# Altium PCB MB1635.PcbDoc (part 2 of 10)
Units mm, origin at the board's own origin, x right, y up, seen from the top; angles counter-clockwise.
Board outline 127 x 97 mm, 6 copper layers (Top Layer, Signal Layer 1, Signal Layer 2, Signal Layer 3, Signal Layer 4, Bottom Layer), stack 1.557 mm thick; 593 components, 478 nets, 2435 pads, 1743 vias.
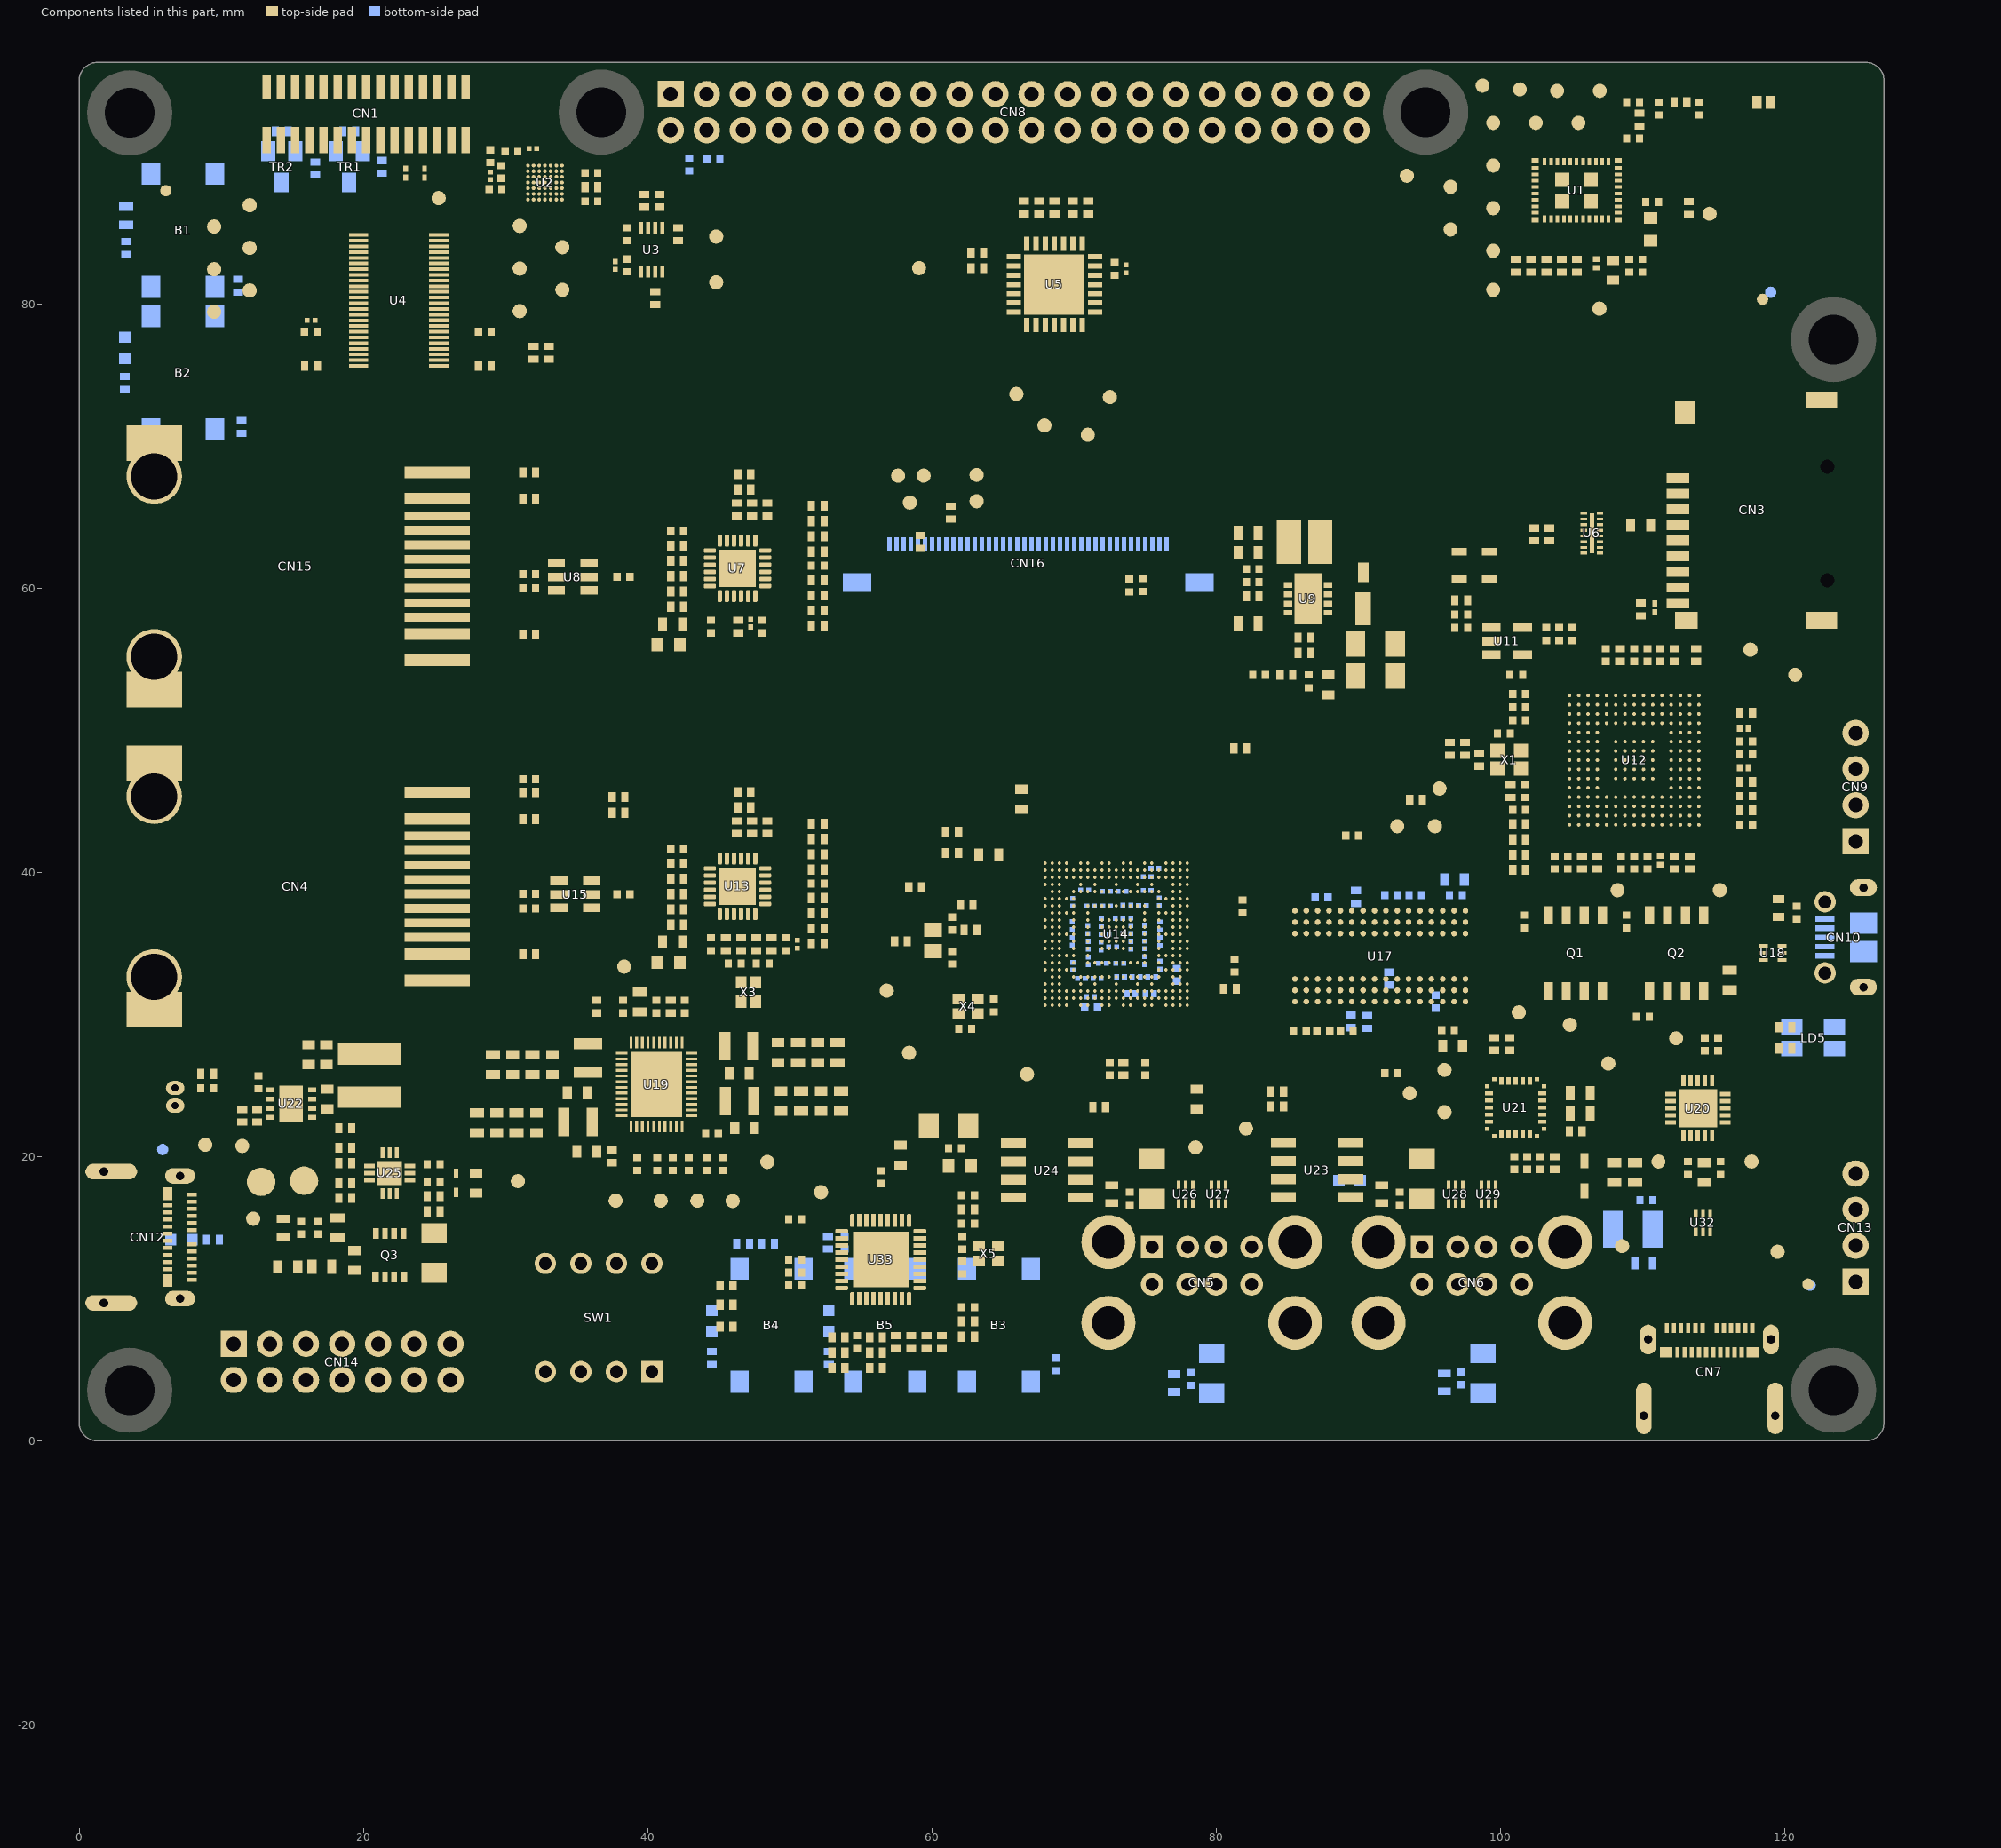
[diagram p6: the components of this part, seen from the top]

## Components (designator, comment, footprint, x,y, rotation, side; value= is the part's Value field where it differs from the comment) (continued)
U12 "ST-LINKV3E" ICC_UFBGA201_176+25_10X10_P065 109.425,47.9 r0 top value=ST-LINKV3S
U13 "LAN8742A-CZ-TR" ICC_VQFN24-EPAD_4X4_P050 46.325,39.025 r90 top
U14 "STM32MP135FAF7" ICC_TFBGA320_11X11_STM32MP135FA7_P050_H1P20 72.975,35.65 r0 top locked
U15 "USBLC6-4SC6" ESD_SOT23-6L 34.9,38.45 r270 top
U16 "ESD-TRANSIL" ESD_QFN2_1P6X1_P125 119.575,37.5 r90 top value=ESDA7P60-1U1M
U17 "NT5CC256M16ER-EK" ICC_VFBGA96_9x13_P080 91.55,34.1 r270 top locked
U18 "ECMF02-2AMX6" ESD_QFN-6L_1P7X1P5_P050 119.175,34.325 r270 top
U19 "STPMU1" ICC_WFQFN44-EPAD_5X6_P040 40.625,25.075 r0 top value=STPMIC1DPQR
U20 "TCPP03-M20" ICC_QFN20-EPAD_4X4_P050 113.9,23.4 r270 top
U21 "STM32G071G8U6N" ICC_UFQFPN28_4X4_P050 101.075,23.45 r0 top
U22 "ST1S31PUR" ICC_VFDFPN8-EPAD_3X3_P065 14.925,23.725 r270 top
U23 "STMPS2252MTR" ICC_SO8_5X4_P127 87.1,19.05 r270 top
U24 "STMPS2252MTR" ICC_SO8_5X4_P127 68.1,19.025 r270 top
U25 "TCPP01-M12" ICC_QFN12L-EPAD_3X3_P050 21.845,18.839 r270 top
U26 "ECMF02-2AMX6" ESD_QFN-6L_1P7X1P5_P050 77.85,17.35 r180 top
U27 "ECMF02-2AMX6" ESD_QFN-6L_1P7X1P5_P050 80.175,17.35 r180 top
U28 "ECMF02-2AMX6" ESD_QFN-6L_1P7X1P5_P050 96.85,17.35 r180 top
U29 "ECMF02-2AMX6" ESD_QFN-6L_1P7X1P5_P050 99.175,17.35 r180 top
U30 "ESD-TRANSIL" ESD_QFN1610_2N_1K_2A 72.65,17.35 r90 top value=ESDA7P120-1U1M
U31 "ESD-TRANSIL" ESD_QFN1610_2N_1K_2A 91.65,17.35 r90 top value=ESDA7P120-1U1M
U32 "ECMF02-2AMX6" ESD_QFN-6L_1P7X1P5_P050 114.25,15.35 r180 top
U33 "USB2514B-AEZC" ICC_QFN36-EPAD_6X6_P050 56.4,12.75 r180 top
U34 "ESD-TRANSIL" ESD_QFN1610_2N_1K_2A 14.345,14.989 r270 top value=ESDA25P35-1U1M
U35 "RK043FN78H-CT661C" LCD_DRAWING_ROCKTEK_RK043FN78H-CT661C 66.775,64.836 r180 bottom
U36 "ESD-TRANSIL" ESD_QFN1610_2N_1K_2A 110.1,12.523 r180 bottom value=ESDA25P35-1U1M
U37 "ESD-TRANSIL" ESD_ST0201 54.692,13.937 r90 bottom value=ESDALC6V1-1U2
U38 "ESD-TRANSIL" ESD_QFN1610_2N_1K_2A 96.075,4.1 r270 bottom value=ESDA7P120-1U1M
U39 "ESD-TRANSIL" ESD_QFN1610_2N_1K_2A 77.05,4.05 r270 bottom value=ESDA7P120-1U1M
U40 "ESD-TRANSIL" ESD_ST0201 24.3,89.213 r270 top value=ESDALC6V1-1U2
U41 "ESD-TRANSIL" ESD_ST0201 22.975,89.2 r270 top value=ESDALC6V1-1U2
X1 "OSCILLATOR_4_PINS" OSC_NDK_NZ2520SB_4P 100.625,47.925 r0 top value=25MHz
X2 "XTAL_2_PINS" CRY_NX2012SA_2P 60.075,35.2 r270 top value=32.768KHz
X3 "XTAL_4_PINS" CRY_NX2016SA_4P 47.1,31.575 r90 top value=25MHz
X4 "XTAL_4_PINS" CRY_NX2016SA_4P 62.55,30.575 r0 top value=24MHz
X5 "XTAL_4_PINS" CRY_NX2016SA_4P 63.975,13.175 r180 top value=24MHz

## Footprints (in the part's own frame and the unit in brackets; to place one, negate y for a bottom-side part, rotate by r counter-clockwise, add the part's x,y. Pads: shape width x height; smd on the part's side, far side on the other; paste and mask are expansions set on the pad)
C0201_H0P5 [mm] "MCD-01534"
  rect 0.4x0.5 smd mask+0.05: 1(-0.3,0) 2(0.3,0)
  Top Layer keep-out region: -0.099,-0.25 0.101,-0.25 0.101,0.25 -0.099,0.25
  body extent -0.35,-0.2 0.35,0.2, height 0.55
C0201_MURATA_GRM033_H0P3 [mm] "GRM033R60J105ME11"
  rect 0.35x0.35 smd mask+0.05: 1(-0.275,0) 2(0.275,0)
  Top Layer keep-out region: -0.1,-0.175 0.1,-0.175 0.1,0.175 -0.1,0.175
  body extent -0.32,-0.17 0.32,0.17, height 0.33
C0402#1 [mm]
  rect 0.51x0.56 smd mask+0.05: 1(-0.45,0) 2(0.45,0)
  Top Layer keep-out region: -0.175,-0.275 0.175,-0.275 0.175,0.275 -0.175,0.275
  body extent -0.5,-0.3 0.5,0.3, height 0.4
C0402#2 [mm]
  rect 0.51x0.56 smd mask+0.05: 1(-0.45,0) 2(0.45,0)
  body extent -0.5,-0.3 0.5,0.3, height 0.4
C0603 [mm]
  rect 0.64x0.89 smd mask+0.05: 1(-0.7,0) 2(0.7,0)
  Top Layer keep-out region: -0.375,-0.45 0.375,-0.45 0.375,0.45 -0.375,0.45
  body extent -0.9,-0.5 0.9,0.5, height 1.4
C0603_H0P8 [mm] "MCD-01540"
  rect 0.64x0.89 smd mask+0.05: 1(-0.7,0) 2(0.7,0)
  body extent -0.9,-0.5 0.9,0.5, height 1
C1206_H1P6 [mm]
  rect 1.4x1.78 smd mask+0.05: 1(-1.4,0) 2(1.4,0)
  silkscreen extent -2.12,-0.97 2.15,0.97, body extent -1.7,-0.9 1.7,0.9, height 1.8
C1206_H1P25 [mm]
  rect 1.4x1.78 smd mask+0.05: 1(-1.4,0) 2(1.4,0)
  silkscreen extent -2.12,-0.97 2.15,0.97, body extent -1.7,-0.9 1.7,0.9, height 1.45
C1210 [mm]
  rect 1.4x2.6 smd mask+0.05: 1(-1.4,0) 2(1.4,0)
  silkscreen extent -2.1,-1.43 2.1,1.43, body extent -1.75,-1.35 1.75,1.35, height 2.5
CON_DUAL-USB-TYPE-A_CONEXCON_5600-3081 [mm]
  round 1.6 hole 0.92: B1(-3.5,13.01) B2(-1,13.01) B3(1,13.01) B4(3.5,13.01) T2(-1,15.63) T3(1,15.63) T4(3.5,15.63)
  round 3.8 hole 2.33: CH1(6.57,10.3) CH2(-6.57,10.3) CH3(-6.57,15.98) CH4(6.57,15.98)
  rect 1.6x1.6 hole 0.92: T1(-3.5,15.63)
  silkscreen extent -7.3,-0.4 7.3,17.85, body extent -7.83,-0.6 7.87,17.85, height 16.2
CON_MICROSD_ATOM_MR01A-01211 [mm]
  rect 0.7x1.6 smd paste+0 mask+0.05: 1(2.25,14.5) 2(1.15,14.5) 3(0.05,14.5) 4(-1.05,14.5) 5(-2.15,14.5) 6(-3.25,14.5) 7(-4.35,14.5) 8(-5.45,14.5) 9(-6.55,14.5)
  rect 1.2x1.6 smd paste+0 mask+0.05: 10(-7.75,13.9)
  rect 1.2x2.2 smd paste+0 mask+0.05: 11(-7.75,4.4) 12(7.75,4.4)
  rect 1.6x1.4 smd paste+0 mask+0.05: 13(6.85,14)
  round 0.5 hole 1 unplated paste-10 mask+0.05: NPTH1(-4.95,4) NPTH2(3.05,4)
  Top Layer pour cut-out: -8.35,8.1 -8.35,12.9 -6.9,12.9 -6.9,8.1
  Top Layer pour cut-out: -6.1,10.1 2.9,10.1 2.9,8.1 -6.1,8.1
  Top Layer keep-out region: -8.35,8.1 -8.35,12.9 -6.9,12.9 -6.9,8.1
  Top Layer keep-out region: -6.1,10.1 2.9,10.1 2.9,8.1 -6.1,8.1
  silkscreen extent -7.35,-5.3 7.35,14.5, body extent -8.05,0 8.05,15, height 1.9
CON_MOLEX_53047-0210 [mm]
  oval 1x1.3 hole 0.5 mask+0.05: 1(-0.625,0) 2(0.625,0)
  silkscreen extent -2.12,-1.15 2.13,2.05, body extent -2.12,-1.15 2.13,2.05, height 4.2
CON_MOLEX_5051104091 [mm] "MCD-02589"
  rect 0.3x1 smd mask+0.05: 1(-9.75,1.1) 2(-9.25,1.1) 3(-8.75,1.1) 4(-8.25,1.1) 5(-7.75,1.1) 6(-7.25,1.1) 7(-6.75,1.1) 8(-6.25,1.1) 9(-5.75,1.1) 10(-5.25,1.1) 11(-4.75,1.1) 12(-4.25,1.1) 13(-3.75,1.1) 14(-3.25,1.1) 15(-2.75,1.1) 16(-2.25,1.1) 17(-1.75,1.1) 18(-1.25,1.1) 19(-0.75,1.1) 20(-0.25,1.1) 21(0.25,1.1) 22(0.75,1.1) 23(1.25,1.1) 24(1.75,1.1) 25(2.25,1.1) 26(2.75,1.1) 27(3.25,1.1) 28(3.75,1.1) 29(4.25,1.1) 30(4.75,1.1) 31(5.25,1.1) 32(5.75,1.1) 33(6.25,1.1) 34(6.75,1.1) 35(7.25,1.1) 36(7.75,1.1) 37(8.25,1.1) 38(8.75,1.1) 39(9.25,1.1) 40(9.75,1.1)
  rect 2x1.3 smd mask+0.05: MT1(-12.05,-1.6) MT2(12.05,-1.6)
  silkscreen extent -12.35,-4 12.35,1.25, body extent -12.75,-4 12.75,1.3, height 1.88
CON_RJ45_PHC_RMT-119A-12F6-GY-02 [mm] "MCD-02475"
  rect 0.81x4.6 smd mask+0.05: 1(6.61,25.2) 2(4.77,25.2) 11(-4.77,25.2) 12(-6.61,25.2)
  rect 0.61x4.6 smd mask+0.05: 3(3.57,25.2) 4(2.55,25.2) 5(1.53,25.2) 6(0.51,25.2) 7(-0.51,25.2) 8(-1.53,25.2) 9(-2.55,25.2) 10(-3.57,25.2)
  rect 2.5x3.9 smd mask+0.05: 13(-8.67,5.28) 14(8.67,5.28)
  round 3.9 hole 3.25 mask+0.05: 13(-6.35,5.28) 14(6.35,5.28)
  silkscreen extent -8.9,-0.01 8.9,25.65, body extent -9.5,0 9.5,25.65, height 13.61
CON_SAMTEC_TSW-104-07-G-S [mm]
  rect 1.85x1.85 / inner round 1.85 / far side rect 1.85x1.85 hole 1 mask+0.05: 1(-3.81,0)
  round 1.85 hole 1 mask+0.05: 2(-1.27,0) 3(1.27,0) 4(3.81,0)
  silkscreen extent -5.12,-1.3 5.12,1.3, body extent -5.21,-1.37 5.18,1.37, height 8.38
CON_SAMTEC_TSW-107-07-X-D [mm] "MCD-02123"
  rect 1.85x1.85 / inner round 1.85 / far side rect 1.85x1.85 hole 1 mask+0.05: 1(-7.62,-1.27)
  round 1.85 hole 1 mask+0.05: 2(-7.62,1.27) 3(-5.08,-1.27) 4(-5.08,1.27) 5(-2.54,-1.27) 6(-2.54,1.27) 7(0,-1.27) 8(0,1.27) 9(2.54,-1.27) 10(2.54,1.27) 11(5.08,-1.27) 12(5.08,1.27) 13(7.62,-1.27) 14(7.62,1.27)
  silkscreen extent -8.89,-2.54 8.89,2.54, body extent -8.89,-2.55 8.89,2.54, height 8.38
CON_SAMTEC_TSW-120-07-G-D [mm]
  rect 1.85x1.85 / inner round 1.85 / far side rect 1.85x1.85 hole 1 mask+0.05: 1(-24.13,-1.27)
  round 1.85 hole 1 mask+0.05: 2(-24.13,1.27) 3(-21.59,-1.27) 4(-21.59,1.27) 5(-19.05,-1.27) 6(-19.05,1.27) 7(-16.51,-1.27) 8(-16.51,1.27) 9(-13.97,-1.27) 10(-13.97,1.27) 11(-11.43,-1.27) 12(-11.43,1.27) 13(-8.89,-1.27) 14(-8.89,1.27) 15(-6.35,-1.27) 16(-6.35,1.27) 17(-3.81,-1.27) 18(-3.81,1.27) 19(-1.27,-1.27) 20(-1.27,1.27) 21(1.27,-1.27) 22(1.27,1.27) 23(3.81,-1.27) 24(3.81,1.27) 25(6.35,-1.27) 26(6.35,1.27) 27(8.89,-1.27) 28(8.89,1.27) 29(11.43,-1.27) 30(11.43,1.27) 31(13.97,-1.27) 32(13.97,1.27) 33(16.51,-1.27) 34(16.51,1.27) 35(19.05,-1.27) 36(19.05,1.27) 37(21.59,-1.27) 38(21.59,1.27) 39(24.13,-1.27) 40(24.13,1.27)
  silkscreen extent -25.4,-2.54 25.4,2.54, body extent -25.4,-2.55 25.4,2.54, height 8.38
CON_TE-CONNECTIVITY_1-1734248-5 [mm] "MCD-02225"
  rect 0.6x1.85 smd mask+0.05: 1(7,1.875) 2(6,1.875) 3(5,1.875) 4(4,1.875) 5(3,1.875) 6(2,1.875) 7(1,1.875) 8(0,1.875) 9(-1,1.875) 10(-2,1.875) 11(-3,1.875) 12(-4,1.875) 13(-5,1.875) 14(-6,1.875) 15(-7,1.875)
  rect 0.6x1.65 smd mask+0.05: 16(7,-1.875) 17(6,-1.875) 18(5,-1.875) 19(4,-1.875) 20(3,-1.875) 21(2,-1.875) 22(1,-1.875) 23(0,-1.875) 24(-1,-1.875) 25(-2,-1.875) 26(-3,-1.875) 27(-4,-1.875) 28(-5,-1.875) 29(-6,-1.875) 30(-7,-1.875)
  silkscreen extent -11.2,-2.85 11.2,1.85, body extent -11.2,-2.7 11.2,2.4, height 7.7
CON_USB-TYPEC_MOLEX_2012670005 [mm] "MCD-02421"
  rect 0.3x0.7 smd mask+0.05: A1(-3,3.085) A2(-2.5,3.085) A3(-2,3.085) A4(-1.5,3.085) A5(-1,3.085) A6(-0.5,3.085) A7(0.5,3.085) A8(1,3.085) A9(1.5,3.085) A10(2,3.085) A11(2.5,3.085) A12(3,3.085) B2(2.25,1.385) B3(1.75,1.385) B4(1.25,1.385) B5(0.75,1.385) B6(0.25,1.385) B7(-0.25,1.385) B8(-0.75,1.385) B9(-1.25,1.385) B10(-1.75,1.385) B11(-2.25,1.385)
  rect 0.9x0.7 smd mask+0.05: B1(3.05,1.385) B12(-3.05,1.385)
  oval 1.1x2.1 hole 0.6 slot 1.6 at 90 deg mask+0.05: SH1(-4.32,2.275) SH2(4.32,2.275)
  oval 1.1x2.6 hole 0.6 slot 2.1 at 90 deg mask+0.05: SH3(-4.62,-3.085) SH4(4.62,-3.085)
  oval 1.1x3.6 all layers, no hole mask+0.05: SH3(-4.62,-2.55) SH4(4.62,-2.55)
  silkscreen extent -4.7,-5.02 4.7,1.1, body extent -4.7,-5.03 4.69,3.27, height 3.67
CON_USBMICROB_MOLEX_105017-0001_H2P90 [mm]
  rect 0.4x1.35 smd mask+0.05: 1(-1.3,4.15) 2(-0.65,4.15) 3(0,4.15) 4(0.65,4.15) 5(1.3,4.15)
  round 1.5 hole 0.9 mask+0.05: 6(-2.5,4.15) 7(2.5,4.15)
  oval 1.2x1.9 hole 0.6 slot 1.3 at 90 deg mask+0.05: 8(3.5,1.45) 9(-3.5,1.45)
  rect 1.5x1.9 smd mask+0.05: 10(-1,1.45) 11(1,1.45)
  Top Layer region: 2.3,2.4 3.5,2.4 3.5,0.5 2.3,0.5 2.3,2.4
  Top Layer region: -3.5,2.4 -2.3,2.4 -2.3,0.5 -3.5,0.5 -3.5,2.4
  silkscreen extent -4,-0.7 4,4.6, body extent -4.1,-1.15 4.1,4.66, height 2.9
CRY_NX2012SA_2P [mm]
  rect 1x1.25 smd mask+0.05: 1(-0.75,0) 2(0.75,0)
  silkscreen extent -1.05,-0.75 1.05,0.75, body extent -1.05,-0.63 1.05,0.63, height 0.6
CRY_NX2016SA_4P [mm]
  rect 0.85x0.75 smd mask+0.05: 1(-0.675,-0.525) 2(0.675,-0.525) 3(0.675,0.525) 4(-0.675,0.525)
  silkscreen extent -1.22,-1.02 1.05,0.85, body extent -1.05,-0.85 1.05,0.85, height 0.7
DIO_DO216-AA [mm]
  rect 1.38x0.75 smd mask+0.05: 1(1.515,0)
  rect 2.32x1.1 smd mask+0.05: 2(-1.045,0)
  Top Layer region: -1.705,-1.015 0.115,-1.015 0.115,1.015 -1.705,1.015
  silkscreen extent -2.25,-1.22 0.72,1.22, body extent -2.02,-1.02 1.83,1.02, height 1.15
DIO_SOD323 [mm]
  rect 1.06x0.54 smd mask+0.05: 1(-1.07,0) 2(1.07,0)
  silkscreen extent -0.9,-0.72 0.9,0.72, body extent -1.3,-0.78 1.3,0.78, height 1.17
DIO_SOD523_1A_2K [mm] "MCD-01677"
  rect 0.65x0.3 smd mask+0.05: 1(-0.675,0) 2(0.675,0)
  silkscreen extent -0.65,-0.45 1.05,0.55, body extent -0.85,-0.45 0.85,0.45, height 0.71
ESD_QFN2_1P6X1_P125 [mm]
  rect 0.55x0.8 smd mask+0.05: 1(-0.625,0) 2(0.625,0)
  silkscreen extent -1,-0.55 0.85,0.55, body extent -0.85,-0.55 0.85,0.55, height 0.61
ESD_QFN1610_2N_1K_2A [mm] "DFN, 2-Leads, Body 1.60x1.00mm"
  rect 0.55x0.9 smd mask+0.05: 1(-0.625,0) 2(0.625,0)
  silkscreen extent -1.02,-0.58 0.85,0.58, body extent -0.85,-0.55 0.85,0.55, height 0.6
ESD_QFN-6L_1P7X1P5_P050 [mm]
  rect 0.25x0.6 smd mask+0.05: 1(-0.5,-0.65) 2(0,-0.65) 3(0.5,-0.65) 4(0.5,0.65) 5(0,0.65) 6(-0.5,0.65)
  body extent -0.9,-0.8 0.9,0.8, height 0.56
ESD_SOT23-6L [mm]
  rect 0.6x1.2 smd mask+0.05: 1(-0.95,-1.15) 2(0,-1.15) 3(0.95,-1.15) 4(0.95,1.15) 5(0,1.15) 6(-0.95,1.15)
  silkscreen extent -1.53,-0.87 1.53,0.87, body extent -1.52,-1.5 1.52,1.5, height 1.45
ESD_ST0201 [mm]
  rect 0.425x0.33 smd mask+0.05: 1(-0.312,0) 2(0.312,0)
  silkscreen extent -0.55,-0.3 0.33,0.3, body extent -0.34,-0.18 0.34,0.18, height 0.34
ESD_UQFN16L-EPAD_3P5X1P2_P040 [mm]
  rect 0.2x0.45 smd mask+0.05: 1(-1.4,-0.575) 2(-1,-0.575) 3(-0.6,-0.575) 4(-0.2,-0.575) 5(0.2,-0.575) 6(0.6,-0.575) 7(1,-0.575) 8(1.4,-0.575) 9(1.4,0.575) 10(1,0.575) 11(0.6,0.575) 12(0.2,0.575) 13(-0.2,0.575) 14(-0.6,0.575) 15(-1,0.575) 16(-1.4,0.575)
  rect 2.8x0.3 smd mask+0.05: EP(0,0)
  body extent -1.78,-0.63 1.78,0.63, height 0.56
FIL_0603_H0P65 [mm]
  rect 0.8x0.95 smd mask+0.05: 1(-0.8,0) 2(0.8,0)
  silkscreen extent -1.33,-0.6 1.33,0.6, body extent -0.87,-0.47 0.87,0.47, height 0.65
ICC_QFN8-EPAD_3X3_P065 [mm]
  rect 0.4x0.6 smd paste+0 mask+0.05: 1(-0.975,-1.4) 2(-0.325,-1.4) 3(0.325,-1.4) 4(0.975,-1.4) 5(0.975,1.4) 6(0.325,1.4) 7(-0.325,1.4) 8(-0.975,1.4)
  rect 3.6x1.9 smd paste+0 mask+0: 9(0,0)
  body extent -1.58,-1.58 1.58,1.58, height 1
ICC_QFN12L-EPAD_3X3_P050 [mm] "MCD-01809"
  rect 0.3x0.75 smd mask+0.05: 1(-0.5,-1.425) 2(0,-1.425) 3(0.5,-1.425) 7(0.5,1.425) 8(0,1.425) 9(-0.5,1.425)
  rect 0.75x0.3 smd mask+0.05: 4(1.425,-0.5) 5(1.425,0) 6(1.425,0.5) 10(-1.425,0.5) 11(-1.425,0) 12(-1.425,-0.5)
  rect 1.7x1.7 smd mask+0.05: 13(0,0)
  body extent -1.55,-1.55 1.55,1.55, height 0.8
ICC_QFN20-EPAD_4X4_P050 [mm] "MCD-02130"
  rect 0.75x0.3 smd mask+0.05: 1(-1.925,1) 2(-1.925,0.5) 3(-1.925,0) 4(-1.925,-0.5) 5(-1.925,-1) 11(1.925,-1) 12(1.925,-0.5) 13(1.925,0) 14(1.925,0.5) 15(1.925,1)
  rect 0.3x0.75 smd mask+0.05: 6(-1,-1.925) 7(-0.5,-1.925) 8(0,-1.925) 9(0.5,-1.925) 10(1,-1.925) 16(1,1.925) 17(0.5,1.925) 18(0,1.925) 19(-0.5,1.925) 20(-1,1.925)
  rect 2.7x2.7 smd mask+0.05: 21(0,0)
  body extent -2.13,-2.13 2.13,2.13, height 1.01
ICC_QFN28-EPAD_6X6_P065 [mm] "MCD-02210"
  rect 0.37x1 smd mask+0.05: 1(-1.95,-2.85) 2(-1.3,-2.85) 3(-0.65,-2.85) 4(0,-2.85) 5(0.65,-2.85) 6(1.3,-2.85) 7(1.95,-2.85) 15(1.95,2.85) 16(1.3,2.85) 17(0.65,2.85) 18(0,2.85) 19(-0.65,2.85) 20(-1.3,2.85) 21(-1.95,2.85)
  rect 1x0.37 smd mask+0.05: 8(2.85,-1.95) 9(2.85,-1.3) 10(2.85,-0.65) 11(2.85,0) 12(2.85,0.65) 13(2.85,1.3) 14(2.85,1.95) 22(-2.85,1.95) 23(-2.85,1.3) 24(-2.85,0.65) 25(-2.85,0) 26(-2.85,-0.65) 27(-2.85,-1.3) 28(-2.85,-1.95)
  rect 4.25x4.25 smd mask+0.05: 29(0,0)
  body extent -3.05,-3.05 3.05,3.05, height 1
ICC_QFN36-EPAD_6X6_P050 [mm]
  rrect50% 0.3x0.9 smd mask+0.05: 1(-2,-2.75) 9(2,-2.75) 19(2,2.75) 27(-2,2.75)
  rect 0.3x0.9 smd mask+0.05: 2(-1.5,-2.75) 3(-1,-2.75) 4(-0.5,-2.75) 5(0,-2.75) 6(0.5,-2.75) 7(1,-2.75) 8(1.5,-2.75) 20(1.5,2.75) 21(1,2.75) 22(0.5,2.75) 23(0,2.75) 24(-0.5,2.75) 25(-1,2.75) 26(-1.5,2.75)
  rrect50% 0.9x0.3 smd mask+0.05: 10(2.75,-2) 18(2.75,2) 28(-2.75,2) 36(-2.75,-2)
  rect 0.9x0.3 smd mask+0.05: 11(2.75,-1.5) 12(2.75,-1) 13(2.75,-0.5) 14(2.75,0) 15(2.75,0.5) 16(2.75,1) 17(2.75,1.5) 29(-2.75,1.5) 30(-2.75,1) 31(-2.75,0.5) 32(-2.75,0) 33(-2.75,-0.5) 34(-2.75,-1) 35(-2.75,-1.5)
  rect 3.9x3.9 smd mask+0.05: 37(0,0)
  body extent -3.06,-3.06 3.06,3.06, height 1
ICC_SO8_5X4_P127 [mm]
  rect 0.7x1.75 smd mask+0.05: 1(-1.905,-2.375) 2(-0.635,-2.375) 3(0.635,-2.375) 4(1.905,-2.375) 5(1.905,2.375) 6(0.635,2.375) 7(-0.635,2.375) 8(-1.905,2.375)
  silkscreen extent -2.73,-3.25 2.58,2, body extent -2.57,-3 2.57,3, height 1.75
ICC_TFBGA320_11X11_STM32MP135FA7_P050_H1P20 [mm] "MCD-02251"
  round 0.23 smd paste+0.025 mask+0.05: A1(-5,5) A2(-4.5,5) A3(-4,5) A4(-3.5,5) A6(-2.5,5) A7(-2,5) A9(-1,5) A10(-0.5,5) A12(0.5,5) A13(1,5) A15(2,5) A16(2.5,5) A18(3.5,5) A19(4,5) A20(4.5,5) A21(5,5) AA1(-5,-5) AA2(-4.5,-5) AA3(-4,-5) AA4(-3.5,-5) AA6(-2.5,-5) AA7(-2,-5) AA9(-1,-5) AA10(-0.5,-5) AA12(0.5,-5) AA13(1,-5) AA15(1.999,-5) AA16(2.499,-5) AA18(3.499,-5) AA19(3.999,-5) AA20(4.499,-5) AA21(4.999,-5) B1(-5,4.5) B2(-4.5,4.5) B3(-4,4.5) B4(-3.5,4.5) B5(-3,4.5) B6(-2.5,4.5) B7(-2,4.5) B8(-1.5,4.5) B9(-1,4.5) B10(-0.5,4.5) B11(0,4.5) B12(0.5,4.5) B13(1,4.5) B14(1.5,4.5) B15(2,4.5) B16(2.5,4.5) B17(3,4.5) B18(3.5,4.5) B19(4,4.5) B20(4.5,4.5) B21(5,4.5) C1(-5,4) C2(-4.5,4) C3(-4,4) C4(-3.5,4) C5(-3,4) C6(-2.5,4) C7(-2,4) C8(-1.5,4) C9(-1,4) C10(-0.5,4) C11(0,4) C12(0.5,4) C13(1,4) C14(1.5,4) C15(2,4) C16(2.5,4) C17(3,4) C18(3.5,4) C19(4,4) C20(4.5,4) C21(5,4) D1(-5,3.5) D2(-4.5,3.5) D3(-4,3.5) D6(-2.5,3.5) D8(-1.5,3.5) D11(0,3.5) D14(1.5,3.5) D16(2.5,3.5) D19(4,3.5) D20(4.5,3.5) D21(5,3.5) E2(-4.5,3) E3(-4,3) E5(-3,3) E6(-2.5,3) E7(-2,3) E8(-1.5,3) E9(-1,3) E10(-0.5,3) E11(0,3) E12(0.5,3) E13(1,3) E14(1.5,3) E15(2,3) E16(2.5,3) E17(3,3) E19(4,3) E20(4.5,3) F1(-5,2.5) F2(-4.5,2.5) F3(-4,2.5) F4(-3.5,2.5) F5(-3,2.5) F17(3,2.5) F18(3.5,2.5) F19(4,2.5) F20(4.5,2.5) F21(5,2.5) G1(-5,2) G2(-4.5,2) G3(-4,2) G5(-3,2) G7(-2,2) G8(-1.5,2) G9(-1,2) G10(-0.5,2) G11(0,2) G12(0.5,2) G13(1,2) G14(1.5,2) G15(2,2) G17(3,2) G19(4,2) G20(4.5,2) G21(5,2) H2(-4.5,1.5) H3(-4,1.5) H4(-3.5,1.5) H5(-3,1.5) H7(-2,1.5) H15(2,1.5) H17(3,1.5) H18(3.5,1.5) H19(4,1.5) H20(4.5,1.5) J1(-5,1) J2(-4.5,1) J3(-4,1) J5(-3,1) J7(-2,1) J9(-1,1) J10(-0.5,1) J11(0,1) J12(0.5,1) J13(1,1) J15(1.999,1) J17(2.999,1) J19(3.999,1) J20(4.499,1) J21(4.999,1) K1(-5,0.5) K2(-4.5,0.5) K3(-4,0.5) K5(-3,0.5) K7(-2,0.5) K9(-1,0.5) K10(-0.5,0.5) K11(0,0.5) K12(0.5,0.5) K13(1,0.5) K15(2,0.5) K17(2.999,0.5) K19(3.999,0.5) K20(4.499,0.5) K21(4.999,0.5) L2(-4.5,0) L3(-4,0) L4(-3.5,0) L5(-3,0) L7(-2,0) L9(-1,0) L10(-0.5,0) L12(0.5,0) L13(1,0) L15(2,0) L17(2.999,0) L18(3.499,0) L19(3.999,0) L20(4.499,0) M1(-5,-0.5) M2(-4.5,-0.5) M3(-4,-0.5) M5(-3,-0.5) M7(-2,-0.5) M9(-1,-0.5) M10(-0.5,-0.5) M11(0,-0.5) M12(0.5,-0.5) M13(1,-0.5) M15(2,-0.5) M17(3,-0.5) M19(4,-0.5) M20(4.5,-0.5) M21(5,-0.5) N1(-5,-1) N2(-4.5,-1) N3(-4,-1) N5(-3,-1) N7(-2,-1) N9(-1,-1) N10(-0.5,-1) N11(0,-1) N12(0.5,-1) N13(1,-1) N15(2,-1) N17(3,-1) N19(4,-1) N20(4.5,-1) N21(5,-1) P2(-4.5,-1.5) P3(-4,-1.5) P4(-3.5,-1.5) P5(-3,-1.5) P7(-2,-1.5) P15(2,-1.5) P17(3,-1.5) P18(3.5,-1.5) P19(4,-1.5) P20(4.5,-1.5) R1(-5,-2) R2(-4.5,-2) R3(-4,-2) R5(-3,-2) R7(-2,-2) R8(-1.5,-2) R9(-1,-2) R10(-0.5,-2) R11(0,-2) R12(0.5,-2) R13(1,-2) R14(1.5,-2) R15(2,-2) R17(2.999,-2) R19(3.999,-2) R20(4.499,-2) R21(4.999,-2) T1(-5,-2.5) T2(-4.5,-2.5) T3(-4,-2.5) T4(-3.5,-2.5) T5(-3,-2.5) T17(2.999,-2.5) T18(3.499,-2.5) T19(3.999,-2.5) T20(4.499,-2.5) T21(4.999,-2.5) U2(-4.5,-3) U3(-4,-3) U5(-3,-3) U6(-2.5,-3) U7(-2,-3) U8(-1.5,-3) U9(-1,-3) U10(-0.5,-3) U11(0,-3) U12(0.5,-3) U13(1,-3) U14(1.5,-3) U15(1.999,-3) U16(2.499,-3) U17(2.999,-3) U19(3.999,-3) U20(4.499,-3) V1(-5,-3.5) V2(-4.5,-3.5) V3(-4,-3.5) V6(-2.5,-3.5) V8(-1.5,-3.5) V11(-0.001,-3.5) V14(1.499,-3.5) V16(2.499,-3.5) V19(3.999,-3.5) V20(4.499,-3.5) V21(4.999,-3.5) W1(-5,-4) W2(-4.5,-4) W3(-4,-4) W4(-3.5,-4) W5(-3,-4) W6(-2.5,-4) W7(-2,-4) W8(-1.5,-4) W9(-1,-4) W10(-0.5,-4) W11(0,-4) W12(0.5,-4) W13(1,-4) W14(1.5,-4) W15(1.999,-4) W16(2.499,-4) W17(2.999,-4) W18(3.499,-4) W19(3.999,-4) W20(4.499,-4) W21(4.999,-4) Y1(-5,-4.5) Y2(-4.5,-4.5) Y3(-4,-4.5) Y4(-3.5,-4.5) Y5(-3,-4.5) Y6(-2.5,-4.5) Y7(-2,-4.5) Y8(-1.5,-4.5) Y9(-1,-4.5) Y10(-0.5,-4.5) Y11(0,-4.5) Y12(0.5,-4.5) Y13(1,-4.5) Y14(1.5,-4.5) Y15(1.999,-4.5) Y16(2.499,-4.5) Y17(2.999,-4.5) Y18(3.499,-4.5) Y19(3.999,-4.5) Y20(4.499,-4.5) Y21(4.999,-4.5)
  silkscreen extent -5.8,-5.5 5.5,5.8, body extent -5.5,-5.52 5.5,5.52, height 1.11
ICC_TVSOP48_9P8X6P6_P040 [mm] "MCD-02226"
  rect 0.25x1.35 smd mask+0.038: 1(-4.6,-2.825) 2(-4.2,-2.825) 3(-3.8,-2.825) 4(-3.4,-2.825) 5(-3,-2.825) 6(-2.6,-2.825) 7(-2.2,-2.825) 8(-1.8,-2.825) 9(-1.4,-2.825) 10(-1,-2.825) 11(-0.6,-2.825) 12(-0.2,-2.825) 13(0.2,-2.825) 14(0.6,-2.825) 15(1,-2.825) 16(1.4,-2.825) 17(1.8,-2.825) 18(2.2,-2.825) 19(2.6,-2.825) 20(3,-2.825) 21(3.4,-2.825) 22(3.8,-2.825) 23(4.2,-2.825) 24(4.6,-2.825) 25(4.6,2.825) 26(4.2,2.825) 27(3.8,2.825) 28(3.4,2.825) 29(3,2.825) 30(2.6,2.825) 31(2.2,2.825) 32(1.8,2.825) 33(1.4,2.825) 34(1,2.825) 35(0.6,2.825) 36(0.2,2.825) 37(-0.2,2.825) 38(-0.6,2.825) 39(-1,2.825) 40(-1.4,2.825) 41(-1.8,2.825) 42(-2.2,2.825) 43(-2.6,2.825) 44(-3,2.825) 45(-3.4,2.825) 46(-3.8,2.825) 47(-4.2,2.825) 48(-4.6,2.825)